# Allegro board RK_NVR_DEMO1_RK3588_LP4XD200P232SD8_V21_20211228_final_lint.brd (continued)
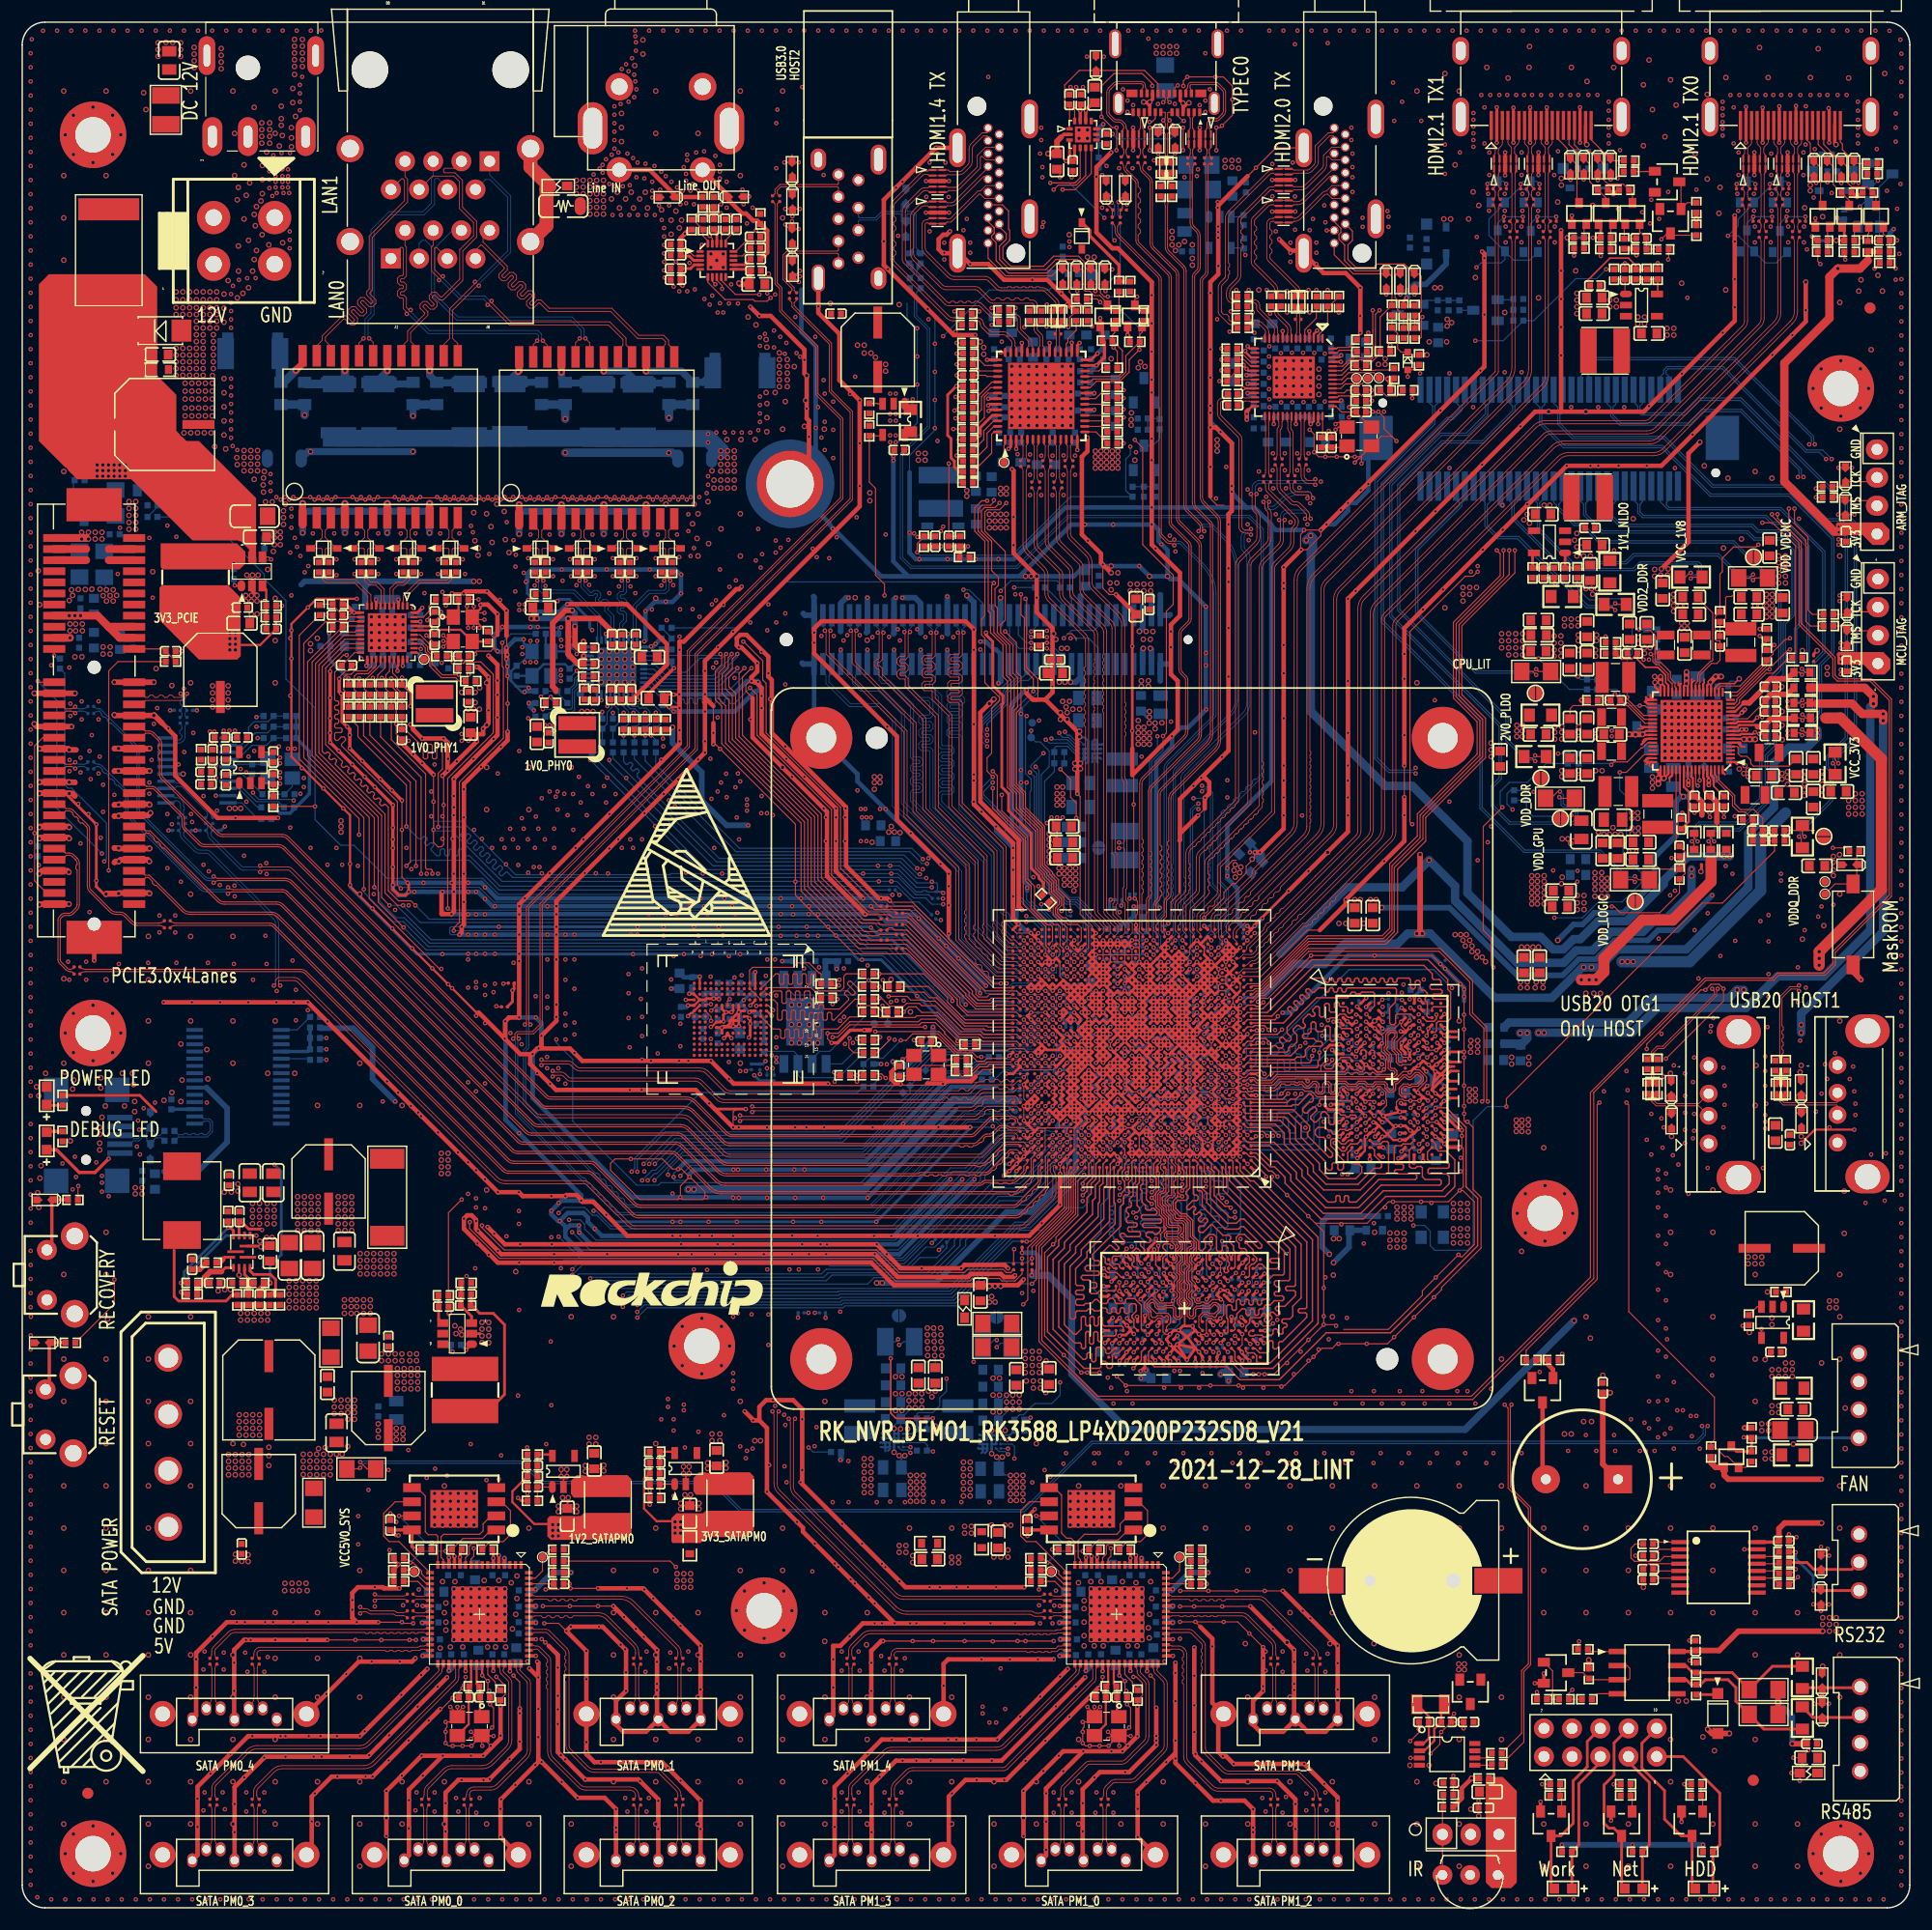
[diagram p0: board, top side]
## Routing (per net, layer and track width the routed paths; a pad name or vN(x,y) marks a point on that pad's centre or on a via; arc(x,y) is an arc through that point) (continued)
  BOTTOM w0.127: v1(97.2,55.11) 96.57,55.75 96.57,60.19 97.2,60.83 97.2,63.37 97.84,64 97.84,66.2 v1(98.7,67.06) v1(98.7,67.71)
  BOTTOM w0.152: U2200.B3 U2200.C3 ; 91.77,75.74 92.59,75.74 92.62,75.76 ; U2201.C3 U2201.B3
  BOTTOM w0.203: 44.5,110.1 45.01,109.59 v1(45.26,109.59) ; 44.5,110.1 45.54,110.1 45.64,110 v1(45.64,109.97) ; 44.5,110.1 44.42,110.18 44.42,110.22 44.06,110.58 ; U2202.B3 U2202.C3 ; U2202.B3 U2202.B2 U2202.C2 ; U2202.B3 U2202.B4 ; U2202.C3 U2202.C4 ; U2202.C3 U2202.C2 ; v2(95.36,103.17) 95.36,103.19 95.63,103.46 U2202.B4 ; U2201.B4 U2201.B3 U2201.B2 U2201.C2 ; U2201.B4 78.97,42.99 v2(79.14,43.17) ; U2201.B4 U2201.C4 ; U2202.C2 U2202.C1 96.03,105.2 95.72,105.51 95.33,105.51 v2(95.28,105.56) v2(95.28,106.06) ; U2201.C4 78.57,43.19 v2(78.56,43.2) ; U2201.C4 U2201.C3 U2201.C2 ; R6728.2 55.16,107.57 55.07,107.66 v1(55.07,107.73) ; R6702.2 44.06,111.48 44.06,110.58 ; R6724.2 v1(52.26,107.81) ; 104.16,83.72 103.93,83.49 103.93,83.48 103.81,83.36 103.8,83.36 103.63,83.19 103.63,83.09 ; R9301.2 99.73,86.56 v1(100,86.56) ; C1714.2 106.75,80.48 C1727.2 ; 82.26,91.58 82.88,91.58 v1(82.98,91.48) ; v1(94.15,71.61) 94.15,71.59 93.29,70.73 C1819.2 ; v2(87.93,43.03) 87.77,42.87 87.75,42.87 U2200.B4 ; v2(87.35,40.94) 87.35,40.94 U2200.C1 U2200.C2 ; 44.06,110.58 43.71,110.93 v1(43.71,111.9) ; U2202.C4 96.03,103.31 95.88,103.17 ; U2202.C4 U2202.B4 ; U2200.C4 U2200.B4 ; U2200.C4 87.35,43.03 v2(87.35,43.03) ; U2200.C4 U2200.C3 U2200.C2 ; U2200.B4 U2200.B3 U2200.B2 U2200.C2 ; v2(78.56,41.06) 78.57,41.07 U2201.C1 U2201.C2 ; Y6700.4 45.18,114 v1(45.18,114.34) ; R6726.2 v1(54.19,107.73) ; v1(46.45,115.46) 46.52,115.39 48.27,115.39 48.31,115.44 v1(48.56,115.44) 48.31,115.18 R6721.2 ; v1(98.05,74.21) 97.94,74.21 97.4,74.75 v1(97.4,74.86) ; 106.83,80.46 106.88,80.46 ; R6722.2 v1(57.09,107.74) ; R6725.2 v1(53.23,107.72) ; R6731.2 v1(56.12,107.72)
  BOTTOM w0.254: C1608.2 97.6,84.17 v1(97.4,83.96) ; C1083.2 98.33,73.19 v1(98.7,73.56) ; v1(124,67.56) 124.2,67.76 124.78,67.76 ; v1(107.97,55.69) 107.97,55.69 107.72,55.43 107.69,55.43 ; v1(101.95,69.01) 101.95,69.66 v1(101.95,69.66) v1(101.3,69.66) v1(101.3,70.31) v1(101.95,70.31) 101.92,70.33 101.92,70.94 v1(102.6,71.61) 102.87,71.34 103.63,71.34 ; 125.27,69.41 125.27,69.87 v1(125.07,70.07) ; C1227.2 104.54,73.56 v1(104.55,73.56) ; v1(96.75,85.91) 96.75,85.34 C1064.2 97,84.86 v1(97.4,85.26) 97.6,85.46 C1503.2 ; v1(98.7,73.56) 98.48,73.79 98.32,73.79 98.32,73.94 v1(98.05,74.21) ; v1(98.7,73.56) 99.07,73.19 C1039.2 99.35,73.43 v1(99.35,73.56) ; C1112.2 94.82,77.44 v1(94.8,77.46) v1(94.15,77.46) 94.06,77.37 C1300.2 ; 102.32,74.49 102.34,74.49 ; 102.32,74.49 102.22,74.49 v1(101.95,74.21) 101.7,73.97 C1213.2 ; 102.32,74.49 v1(101.95,74.86) 102.18,75.1 102.34,75.1 102.34,75.25 v1(102.6,75.51) 102.56,75.51 102.18,75.9 ; v1(109.75,83.96) v1(109.1,83.31) ; v1(107.8,83.31) 107.68,83.19 C1730.2 ; v1(121.07,69.49) 121.07,69.46 120.93,69.32 C3828.2 ; v1(18.26,97.48) 17.9,97.12 R8419.2 ; v1(103.9,70.96) 103.63,71.23 103.63,71.34 ; v1(103.9,70.96) 104.24,71.3 104.24,71.34 ; v1(103.9,70.96) 103.66,70.73 C1219.2 ; C1819.2 93.86,70.46 C1813.2 ; C1801.2 89.27,71.81 89,72.08 ; v1(99.35,73.56) 99.79,73.56 C1015.2 ; v1(99.35,73.56) v1(99.35,74.21) v1(99.35,74.86) 99.1,75.12 C1010.2 98.87,75.51 v1(98.7,75.51) ; C1727.2 106.24,81.1 v1(106.5,81.36) ; C1205.2 106.08,72.52 C1212.2 106.16,71.93 v1(106.5,72.26) 106.23,72.53 C1205.2 ; C1205.2 106.09,73.14 106.42,73.47 106.59,73.47 ; C1072.2 95.69,82.42 v1(95.45,82.66) 95.21,82.43 C1069.2 ; v1(126.51,72.08) 126.69,72.25 C3834.2 ; v1(104.55,73.56) 104.98,73.13 C1206.2 ; v1(104.55,73.56) v1(104.55,74.21) 104.55,74.26 104.2,74.61 104.2,74.91 103.91,75.21 C1220.2 104.37,75.33 v1(104.55,75.51) 104.66,75.62 C1229.2 ; 117.63,78.61 v1(117.14,78.61) ; C3818.2 128.57,76.34 128.47,76.34 v1(128.15,76.66) 128.44,76.96 C3815.2 ; C3810.2 119.96,66.67 v1(119.43,66.13) ; v1(108.95,53.28) 109.13,53.1 109.4,53.1 ; 104.24,71.34 103.63,71.34 ; 104.24,71.34 104.26,71.37 104.84,71.37 104.87,71.34 104.87,71.29 v1(105.2,70.96) 105.43,70.73 C1209.2 ; v1(96.75,71.61) 96.83,71.7 C1030.2 ; 124.64,69.28 124.2,69.28 v1(124.13,69.21) ; v1(108.13,60.09) 108.15,60.06 C3847.2 ; v1(92.85,79.41) 92.85,79.4 C1901.2 ; C1213.2 101.47,73.81 101.47,73.81 101.13,73.81 101.13,73.81 101.06,73.81 C1215.2 100.88,73.79 v1(100.65,73.56) ; C1213.2 C1231.2 ; R8418.2 v1(15.62,97.12) R8426.2 ; C1210.2 106.14,75.86 v1(106.5,75.51) 106.25,75.26 106.11,75.26 106.11,75.2 ; 106.59,73.47 C1207.2 ; 106.59,73.47 v1(105.85,74.21) 105.62,74.44 C1216.2 105.62,74.7 106.09,75.17 C1208.2 ; v1(51.36,115.18) 51.13,115.41 51.13,116.12 49.3,117.95 48.38,117.95 v1(48.23,117.8) 46.2,117.8 45.51,118.48 45.51,119.3 45.39,119.42 v1(45.39,119.55) ; 106.88,80.46 107.15,80.19 v1(107.15,80.06) ; 100,77.46 v1(99.35,78.11) ; 100,77.46 100,77.46 v1(99.35,76.81) 99.34,76.81 v1(98.7,76.16) 98.95,75.91 99.07,75.91 ; 100,77.46 v1(100,77.46) 100.26,77.71 100.39,77.71 100.52,77.59 C1016.2 ; v1(122.62,71.39) 122.65,71.41 122.65,71.8 ; v1(119.35,70.81) 119.28,70.75 119.28,70.35 ; 100.29,83.02 v1(100.64,82.67) 100.36,82.4 C1040.2 ; 100.29,83.02 C1041.2 ; 100.29,83.02 100.36,83.02 v1(100.65,83.31) ; C3814.2 118.86,73.25 v1(118.74,73.37) ; v1(119.5,76.01) 119.42,75.94 C3822.2 ; v1(106.17,77.13) 105.67,77.63 C1226.2 ; 95.88,77.97 96.02,78.11 v1(96.1,78.11) ; C1607.2 97.97,90.72 98.07,90.82 v1(98.07,90.87) C1611.2 ; v2(101.57,107.33) 101.35,107.33 C4703.2 101.54,107.88 v2(101.57,107.84) ; v1(123.75,70.48) 123.37,70.1 C3826.2 ; v1(38.68,89.57) 38.19,89.57 37.78,89.98 37.78,91.5 v1(37.87,91.58) ; v1(94.8,71.61) 94.8,71.61 v1(94.8,70.96) 94.11,70.27 C1813.2 ; C1816.2 92.46,71.52 92.33,71.52 92.24,71.61 v1(92.2,71.61) ; C1606.2 97.62,83.53 v1(97.4,83.31) ; 101.62,76.29 101.62,75.97 C1022.2 101.56,75.9 v1(101.95,75.51) 101.73,75.29 C1014.2 ; v1(86.31,82.44) 86.31,82.46 79.91,88.87 77.8,88.87 77.09,89.57 v1(75.94,89.57) ; v1(102,59.33) 101.7,59.64 C3853.2 ; R1400.2 103.03,88.51 v1(103.25,88.73) ; v1(100.65,80.71) v1(100.65,80.06) v1(100.65,79.41) ; C1813.2 94.05,69.76 v1(94.15,69.66) 94.37,69.44 94.42,69.44 94.53,69.34 C1804.2 ; C1004.2 103.9,81.01 v1(103.9,81.36) v1(103.9,82.01) 104.18,82.3 104.18,82.44 ; 102.18,54.5 102.03,54.66 C3852.2 102.03,55.46 v1(102.17,55.6) 101.42,56.35 v1(101.42,56.43) ; v1(109.93,56.36) 109.66,56.63 109.57,56.63 ; v1(96.75,73.56) v1(97.4,72.91) 97.52,72.79 C1038.2 97.52,71.74 v1(97.4,71.61) ; C3837.2 120.19,67.69 v1(120.3,67.57) ; v1(108.45,87.21) v1(108.45,86.56) 108.45,85.86 108.38,85.79 ; v1(94.15,67.71) 94.15,67.28 C1805.2 ; C1211.2 106.19,70.65 v1(105.85,70.31) 105.59,70.57 105.59,70.71 ; C1049.2 103.14,79.31 v1(103.25,79.41) ; v1(85.41,70.36) 85.41,70.29 v1(76.96,61.84) v1(72.01,61.84) v1(69.47,61.84) v1(64.39,61.84) v1(61.85,61.84) v1(59.31,61.84) v1(58.6,61.84) 53.26,61.84 v1(52.63,62.48) ; v1(94.15,71.61) 94.43,71.89 94.43,72.03 ; v1(102.6,67.71) v1(102.6,68.36) ; v1(97.4,70.96) 97,70.56 C1814.2 97.16,70.55 v1(97.4,70.31) ; v1(98.05,81.36) v1(98.7,81.36) v1(98.7,80.71) ; C1506.2 94.03,79.88 C1602.2 ; v1(106.5,81.36) 106.5,81.28 ; v1(106.5,81.36) v1(106.5,82.01) 106.45,82.06 106.45,82.51 ; v1(98.05,77.46) 97.78,77.73 C1070.2 ; R8406.2 v1(15.73,107.94) ; C1421.2 104.88,86.16 104.82,86.1 104.67,86.1 104.18,85.6 ; v1(107.82,50) 107.82,50.31 107.62,50.51 ; 125.93,67.68 125.93,67.6 v1(126.22,67.3) ; R1401.2 R1405.2 ; v1(55.45,87.72) 55.52,87.65 v1(63.14,87.65) v1(70.76,87.65) v1(73.33,87.65) 76.05,87.65 76.45,87.24 78.41,87.24 82.6,83.05 83.26,82.39 83.81,81.84 v1(83.81,81.75) ; v1(90.9,72.26) 90.57,72.58 C1808.2 ; R8407.2 v1(13.33,107.94) ; v1(121.07,76.01) 120.82,75.76 C3817.2 ; C1047.2 104.58,77.49 v1(103.9,76.81) v1(103.25,76.81) 103.02,76.59 C1223.2 ; v1(128.16,73.43) 128.17,73.42 128.57,73.42 ; v1(88.19,83.33) 87.52,83.33 83.46,87.39 83.46,88.1 83.49,88.13 ; 94.42,75.51 94.42,75.74 94.8,76.12 v1(94.8,76.16) 95.34,76.7 C1031.2 96.1,76.69 v1(96.1,76.16) v1(96.75,75.51) ; v1(95.45,77.47) 96.09,77.47 v1(96.1,77.46) ; C1610.2 97.59,84.8 v1(97.4,84.61) ; 94.43,72.03 94.66,72.26 v1(94.8,72.26) 95.08,71.98 95.27,71.98 95.72,71.53 95.72,71.45 95.89,71.61 v1(96.1,71.61) ; 94.43,72.03 94.43,72.79 C1803.2 94.8,73.16 v1(94.8,73.56) 95.16,73.93 95.16,74.01 ; v1(95.45,81.36) 95.66,81.15 C1073.2 95.84,81.1 v1(95.45,80.71) ; v1(103.55,55.64) 103.68,55.52 C3864.2 103.68,54.71 v1(103.68,54.7) 103.7,54.72 103.7,54.4 103.71,54.4 ; C3863.2 105.46,57.52 v1(105.99,58.05) ; v1(110.61,95.14) 110.63,95.15 110.63,95.99 111.48,95.14 v1(111.53,95.14) ; v1(98.7,79.41) 98.7,78.93 C1106.2 98.58,78.64 v1(98.05,78.11) 97.81,78.35 C1054.2 ; v1(29.54,92.19) 29.54,91.99 35.56,85.97 v1(37.86,85.97) v1(55.04,85.97) v1(59.61,85.97) v1(62.15,85.97) v1(64.69,85.97) 74.85,85.97 75.36,85.46 v1(75.66,85.46) 77.39,85.46 80.64,82.21 v1(80.64,82.19) 80.67,82.19 84.25,78.61 84.25,78.15 v1(84.28,78.12) ; 92.62,75.76 92.62,75.93 v1(92.85,76.16) 93.13,76.45 C1110.2 ; v1(101.3,72.26) 101.64,72.61 C1224.2 101.78,72.68 101.78,73.11 101.68,73.21 ; C1037.2 97.9,82.41 98.05,82.27 v1(98.05,82.01) ; v1(39.6,88.43) v1(55.45,88.43) v1(60.53,88.43) v1(68.15,88.43) v1(70.69,88.43) 76.38,88.43 76.45,88.36 v1(76.48,88.36) 76.48,88.33 77.01,87.8 79.12,87.8 84.76,82.16 84.76,81.68 v1(85.01,81.42) ; v1(103.25,67.71) v1(103.9,67.71) v1(103.9,68.36) v1(103.9,69.01) ; v1(99.35,83.96) v1(99.35,83.31) v1(99.35,82.66) ; R8425.2 v1(13.18,97.12) ; v1(103.25,83.31) 103.05,83.11 C1002.2 102.85,82.92 v1(102.6,82.66) v1(102.6,83.31) ; U5501.2 v1(80.66,123.57) ; v1(108.45,82.01) 108.71,81.75 108.71,81.57
  BOTTOM w0.305: 124.61,78.91 124.5,79.01 v1(124.2,79.01)
  BOTTOM w0.406: v1(86.33,114.14) 86.84,114.14 87.55,113.43 87.75,113.43 88.15,113.02 U4700.44 ; v2(103.2,120.03) 103.3,120.03 103.55,119.78 ; v2(103.2,120.03) 103.2,122.37 v1(102.65,122.91) 102.39,123.18 102.39,124.2 101.89,124.69 v1(98.3,124.69) v1(95.76,124.69) 94.52,124.69 89.86,120.03 ; v2(103.2,120.03) v2(101.57,120.03) v1(100.66,120.95) v2(98.12,120.95) 95.68,120.95 94.77,120.03 v2(91.41,120.03) v2(90.9,120.03) v2(90.4,120.03) 89.86,120.03 ; v2(103.2,120.03) 103.45,119.78 103.55,119.78 ; U4700.8 v1(73.75,113.4) ; R6718.2 v1(45.64,108.6) 45.74,108.5 45.74,108.3 v1(46.1,107.94) ; v1(75.94,89.57) v1(70.87,89.57) v1(68.35,89.57) v1(64.29,89.57) v1(61.75,89.57) v1(59,89.57) v1(56.46,89.57) v1(38.68,89.57) ; 79.83,120.03 78.49,121.37 v1(78.49,130.88) ; 79.83,120.03 89.86,120.03 ; 79.83,120.03 77.39,120.03 72.72,124.71 72.72,124.82 SMTSO9900.1 71.5,130.67 v1(71.5,133.41) 71.5,140.76 70.21,142.05 70.21,145.87 ; 103.55,119.78 104.16,119.78 v1(106.65,117.29) v1(106.65,113.12) v1(106.65,112.01) 106.65,108.04 v1(106.68,108.02) 105.05,106.39 104.39,106.39 v1(103.6,105.61) 103.6,104.69 102.18,103.27 102.18,90.47 v1(102.5,90.15) ; v1(45.39,119.55) 45.51,119.55 45.51,120.26 45.9,120.64 v1(48.61,120.64) v1(52.68,120.64) v1(56.54,120.64) 58.85,120.64 59.36,120.13 v1(59.36,118.48) 59.36,118.48 58.6,117.72 58.01,117.72 ; v1(39.39,87.72) v1(40.17,87.72) v1(40.89,87.72) v1(41.7,87.72) v1(42.59,87.72) v1(44.78,87.72) v1(47.32,87.72) v1(48.13,87.72) v1(48.94,87.72) v1(49.76,87.72) v1(54.84,87.72) v1(55.45,87.72) ; v1(61.05,83.94) 60.43,83.94 C4000.2 59.61,83.88 C4004.2 ; 89.99,108.04 v1(89.99,107.64) v1(89.99,102.56) v1(89.99,101.44) 89.99,97.48 90.7,96.77 ; v1(78.15,90.8) 77.95,91 v1(77.39,91) v1(75.77,91) v1(70.18,91) v1(68.35,91) v1(63.27,91) v1(61.14,91) 42.78,91 41.38,92.4 v1(38.7,92.4) v1(36.16,92.4) v1(34.72,92.4) 33.7,92.4 33.5,92.19 v1(33.4,92.19) 33.4,91.79 33.91,91.28 34.52,91.28 v1(34.82,91.58) v1(35.33,91.58) v1(37.87,91.58) v1(38.9,91.58) v1(40.17,91.58) v1(40.89,91.58) 41.07,91.58 42.37,90.29 v1(60.15,90.29) v1(61.44,90.29) v1(63.98,90.29) v1(67.33,90.29) v1(69.37,90.29) v1(70.89,90.29) v1(76.48,90.29) 77.52,90.29 78.28,89.53 80.43,89.53 v1(80.78,89.18) v1(82.57,87.38) v1(83.25,86.71) v1(84.37,85.59) v1(86.84,83.12) ; v1(52.63,62.48) 51.36,63.75 v1(50.37,63.75) ; v1(90.5,109.77) 90.4,109.77 89.18,108.55 89.18,97.22 90.29,96.11 90.29,92.52 90.55,92.27 v1(90.55,91.94) 90.55,91.68 ; v1(43.64,112.56) 43.74,112.46 v1(43.74,111.04) ; U4700.26 v1(80.95,113.4) ; v1(83.64,65.68) 78.53,60.57 v1(78.31,60.57) v1(76.76,60.57) v1(71.68,60.57) v1(64.06,60.57) v1(62.15,60.57) v1(59.31,60.57) v1(58.6,60.57) 52.22,60.57 v1(51.59,61.21) 50.98,61.82 50.98,62.22 50.57,62.63 49.15,62.63 v1(48.44,61.92) ; 87.65,74.01 83.72,74.01 76.25,66.54 v1(70.48,66.54) v1(69.57,66.54) v1(67.03,66.54) v1(64.49,66.54) v1(64.08,66.54) 60.53,66.54 60.12,66.13 v1(60.12,65.88) ; v1(71.35,114.04) U4700.2 71.35,106.11 J9901.1 75.26,102.2 75.26,101.54 81.93,94.87 81.96,94.87 v1(82.74,94.09) 83.49,93.35 v1(83.49,92.09) 83.49,88.13 ; 112.55,124.6 112.55,101.54 108.58,97.58 v1(108.58,93.72) v1(108.58,93.02) 108.58,92.8 109.5,91.89 109.5,88.92 109.9,88.51 v1(110.4,88.51) ; 112.55,124.6 112.95,124.2 v1(115.49,124.2) ; 112.55,124.6 112.55,124.71 111.02,126.23 110.31,126.23 ; v1(85.75,113.4) U4700.38 v1(85.75,106.7) v1(85.75,102.16) v1(85.75,101.62) 85.75,99.48 v1(86.43,98.8) ; v1(111.05,88.51) v1(111.74,89.2) ; U4700.32 v1(83.35,113.4) ; v1(85.8,65.68) v1(80.69,60.57) 79.04,58.92 v1(76.82,58.92) v1(72.44,58.92) v1(70.89,58.92) v1(69.37,58.92) v1(66.83,58.92) v1(64.29,58.92) v1(62.41,58.92) v1(60.32,58.92) v1(59.1,58.92) v1(52.7,58.92) 50.52,58.92 48.94,60.49 48.94,61.1 ; v1(43.71,112.96) v1(43.71,111.9) ; v1(84.71,65.68) 84.71,65.65 78.86,59.81 v1(77.01,59.81) v1(71.93,59.81) v1(70.28,59.81) v1(64.06,59.81) v1(62.66,59.81) 51.26,59.81 v1(50.19,60.87) 50.16,60.9 v1(50.16,61.51) 49.35,61.51 48.94,61.1 ; v1(50.37,63.75) 48.59,63.75 v1(47.67,62.83) 47.67,62.53 48.28,61.92 v1(48.44,61.92) ; v1(50.37,63.75) 50.37,64.23 v1(44.77,69.82) 44.75,69.84 44.75,69.87 44.73,69.87 43.56,71.04 43.56,78.27 v1(43.48,78.35) 43.52,78.39 v1(43.52,79.92) 43.86,80.26 v1(44.78,80.26) v1(46.28,80.26) 46.78,79.75 v1(46.78,78.61) 46.78,77.74 v1(46,76.95) 46,72.99 54.94,64.05 v1(59.31,64.05) v1(61.64,64.05) 63.96,64.05 64.01,64 v1(64.06,64) v1(64.56,64) v1(67.1,64) v1(69.64,64) v1(72.18,64) v1(76.17,64) v1(82.55,70.38) 84.12,71.95 ; v1(48.44,61.92) 48.94,61.41 48.94,61.1 ; v1(46.45,115.46) v1(45.79,115.46) v1(43.25,115.46) 42.54,114.75 42.54,113.56 v1(42.82,113.28) 42.88,113.22 43.27,113.22 v1(43.64,113.58) 44.4,114.34 v1(45.18,114.34) ; v1(107.06,134.76) 107.06,133.95 v1(107.97,133.04) 108.99,132.02 v1(108.99,128.17) v1(108.99,127.65) 108.99,127.55 110.31,126.23 ; v1(57.99,117.75) 58.01,117.72 ; 58.01,117.72 57,117.72 v1(56.16,116.88) 56.16,114.27 v1(56.06,114.17) ; U4700.20 v1(78.55,113.4) ; v1(113.56,80.69) 114.31,80.69 119.46,85.85 v1(121.84,85.85) 127.02,85.85 v1(127.79,85.08) v1(128.21,84.66) 129.92,82.95 v1(129.92,82.78) v1(129.92,82.14) 129.92,81.74 ; v1(90.9,87.86) 90.63,88.13 90.35,88.13 v1(89.78,88.7) 89.59,88.89 89.59,89.85 89.28,90.16 v1(89.28,95.55) 87.75,97.07 v1(87.75,97.48) ; 110.31,126.23 v1(101.78,126.23) 94,126.23 89.34,121.57 v1(87.96,121.57) v1(85.92,121.57) v1(83.38,121.57) v1(80.84,121.57) 80.52,121.57 79.95,122.15 v1(79.95,123.95) 79.95,129.4 ; v1(45.26,109.59) 45.34,109.67 46.24,109.67 R6715.2 ; v1(47.62,109.15) 48.17,108.6 C6706.2 ; U4700.14 v1(76.15,113.4) ; v1(58.29,108.25) 58.29,108.24 v1(58.7,107.84) 64.21,107.84 66.04,109.67 66.22,109.67 66.42,109.87 66.42,110.41 v1(66.31,110.52) 66.24,110.58 v1(65.71,110.58) 65.3,110.58 64.11,109.39 v1(61.52,109.39) v1(59.21,109.39) ; R1110.2 v1(77.39,76.07) ; v1(59.1,66.59) 59.81,67.3 75.99,67.3 v1(79.37,70.68) v1(82.97,74.27) 83.51,74.82 85.55,74.82 85.98,75.25 87.12,75.25 87.3,75.43 v1(87.35,75.43) ; v1(117.02,124.2) v1(117.52,124.71) 118.23,124.71 119.45,125.93 v1(119.45,126.64) 120.17,126.64 121.28,127.75 v1(121.28,128.35) 121.28,131.8 J9800.61
  BOTTOM w0.508: U4700.1 71.35,118.15 71.3,118.2 ; U4700.1 70.54,116.52 70.38,116.68 ; U4700.1 v1(71.35,114.95) ; 80.95,114.95 80.95,114.96 U4700.25 80.95,117.59 80.44,118.1 v1(79.32,118.1) ; v2(85.11,118.31) 85.72,117.7 85.75,117.7 U4700.37 v1(85.75,115.23) ; 70.28,112.21 70.37,112.12 U4700.2 ; v1(133.37,126.43) 133.19,126.62 J9800.42 ; v1(78.71,118.1) 78.55,117.94 U4700.19 78.55,114.89 78.51,114.85 ; 76.07,114.95 76.15,115.03 U4700.13 v1(76.15,118.1) ; U4700.44 88.15,110.57 v1(87.96,110.38) ; U4700.78 101.75,113.43 v2(101.65,113.53) ; 83.39,114.85 83.35,114.89 U4700.31 v1(83.35,118.2) ; v1(111.07,95.14) 111.07,95.09 111.22,94.94 111.22,94.81 C1085.2 111.72,94.95 v1(111.53,95.14) ; v1(74.45,118.1) 74.26,118.1 73.75,117.59 U4700.7 73.75,115.07 73.73,115.05 ; U4700.75 100.95,115.35 v2(100.66,115.05) ; v2(101.01,113.53) 100.95,113.47 U4700.76 ; U4700.43 v2(88.15,118.09)
  BOTTOM w0.635: C6705.2 v2(52.4,123.84) ; C6702.2 v2(44.78,123.84) ; C6704.2 v2(56.21,123.84) ; C6802.2 v2(25.27,123.94) ; C6805.2 v2(36.7,123.94) ; C6804.2 v2(32.89,123.94) ; C6703.2 v2(48.59,123.84) ; C6803.2 v2(29.08,123.94)
  BOTTOM w1.524: v2(62.94,131.34) 61.83,132.44 D6703.2 D6700.2 51.81,132.47 D6702.2 D6803.2 D6802.2 D6801.2